# Allegro board TDI_KU5P_QSFP28_CXP_V001-20240805_1841.brd (continued)
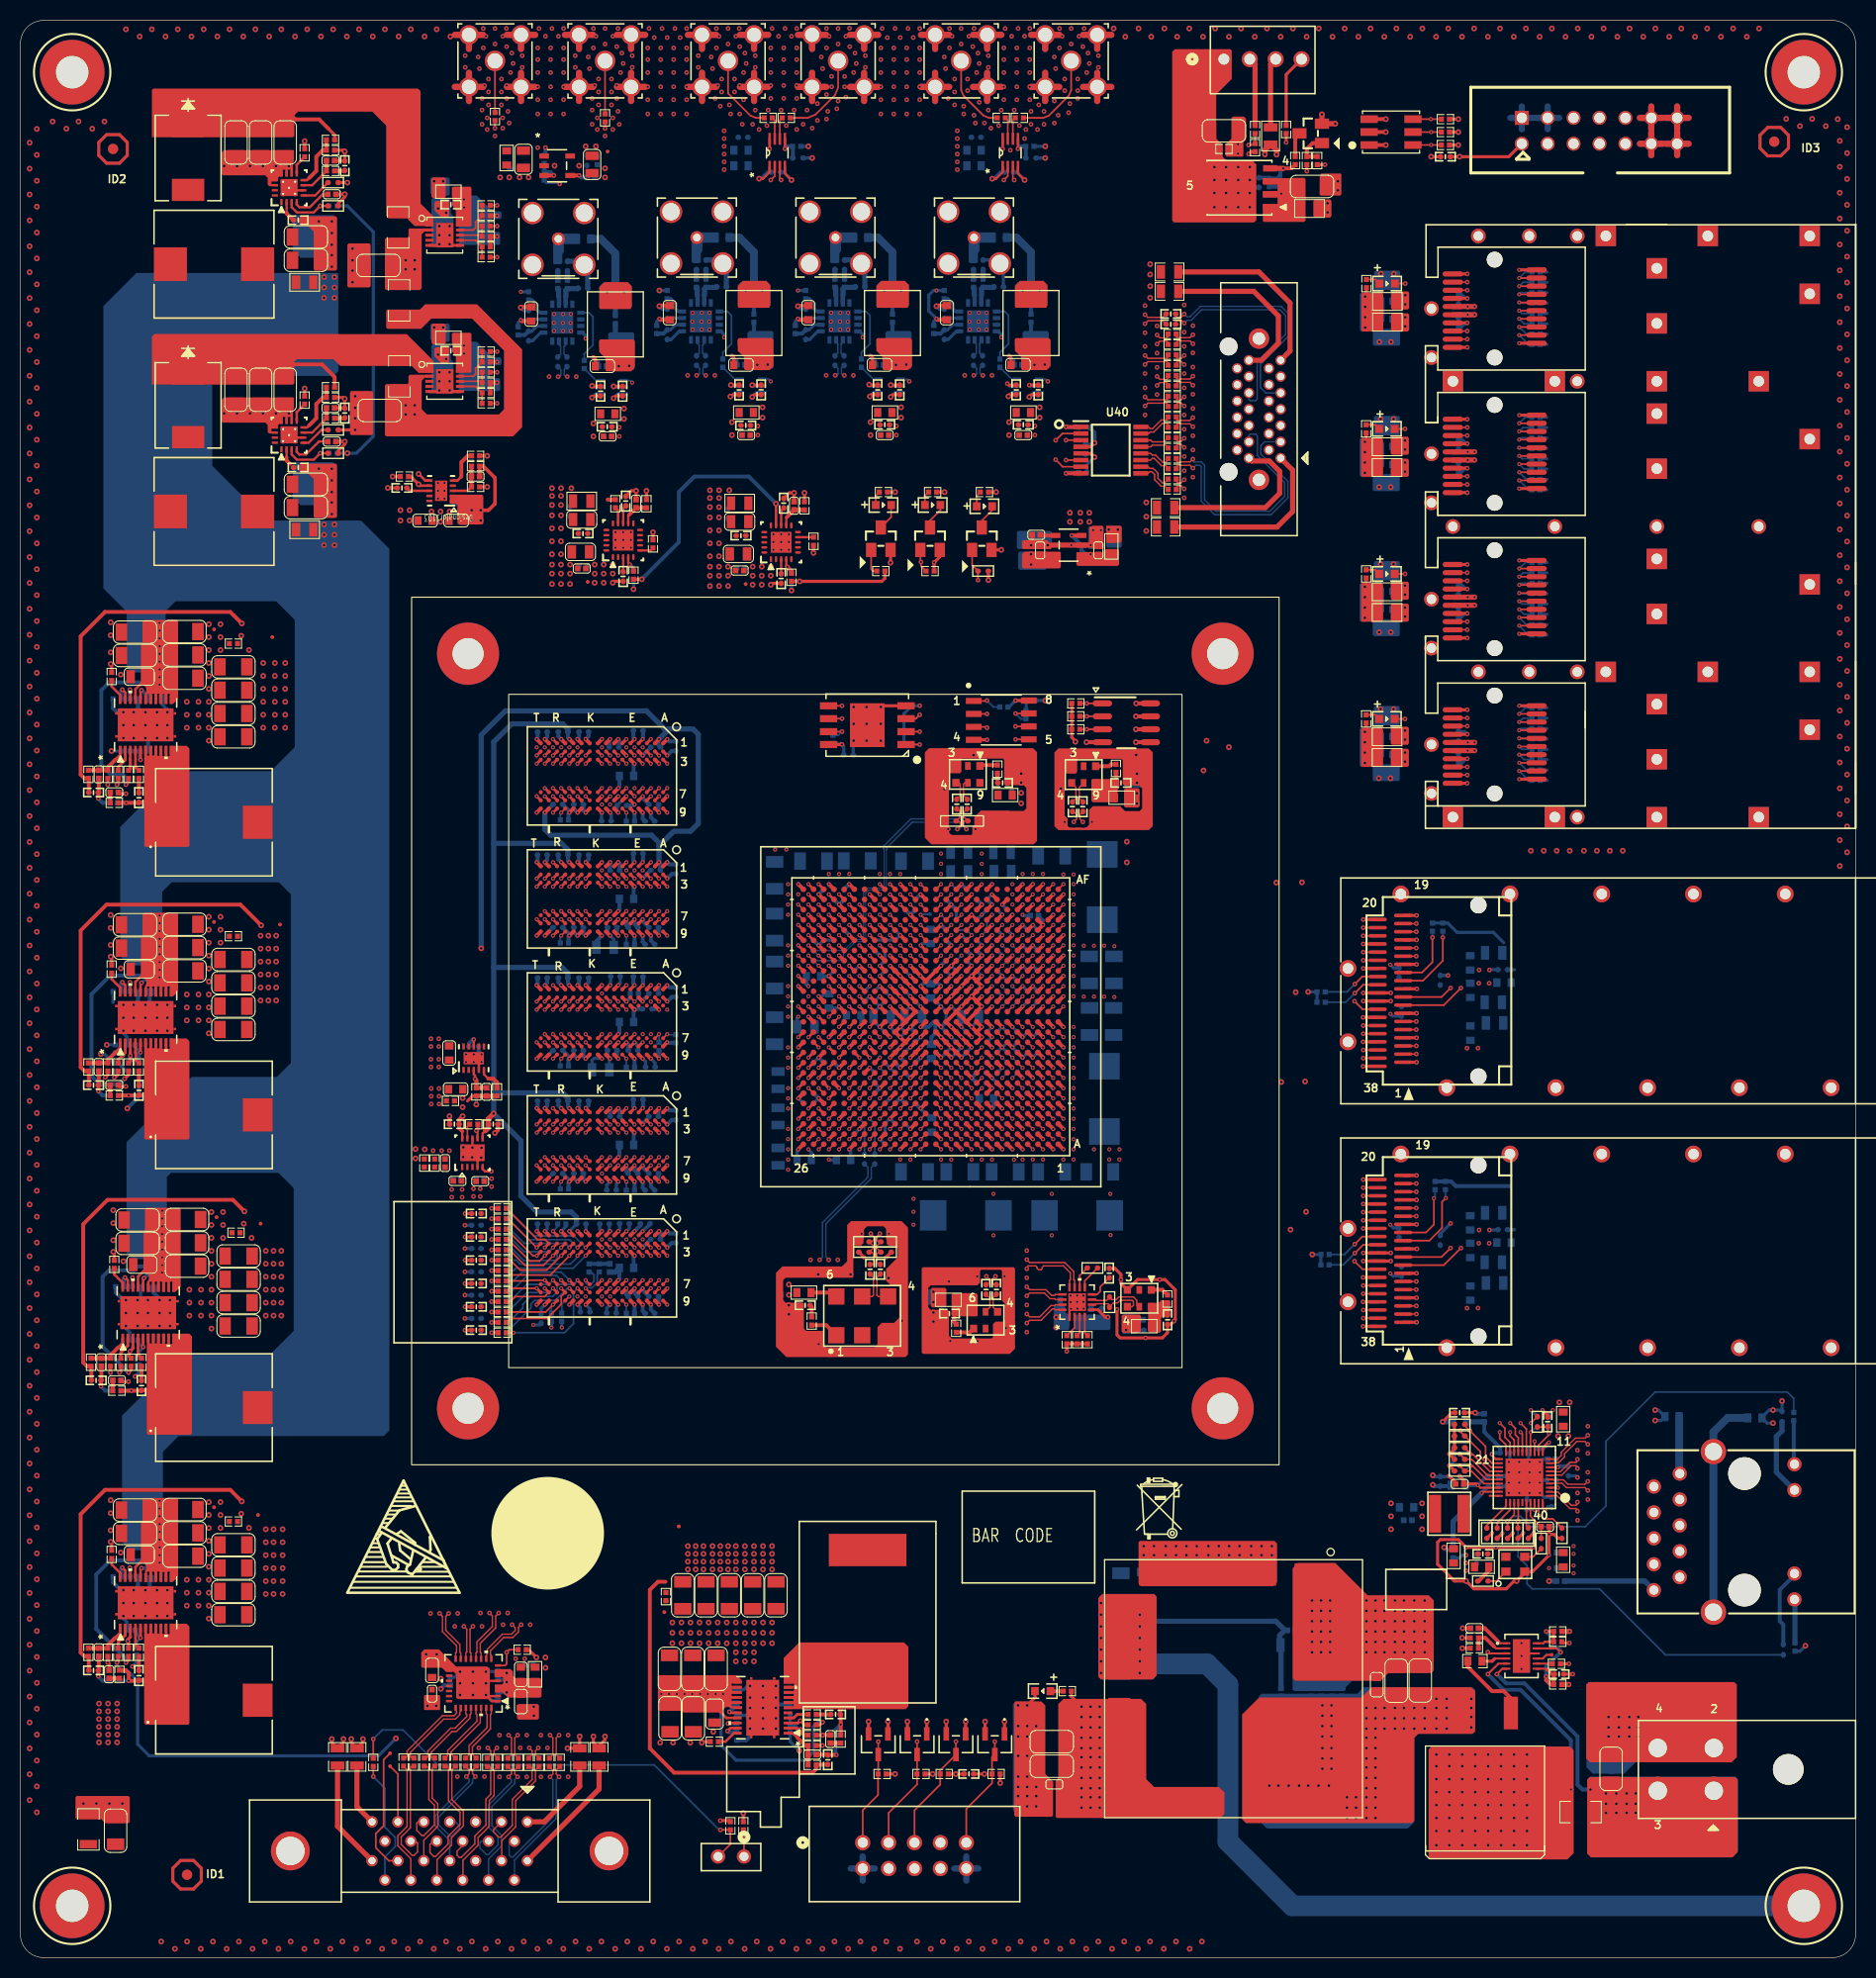
[diagram p0: board, top side]
## Routing (per net, layer and track width the routed paths; a pad name or vN(x,y) marks a point on that pad's centre or on a via; arc(x,y) is an arc through that point) (continued)
CHA_QSFP0_TX0_N: length 62.2
  TOP w0.14: J4.37 131.72,62.72 v2(131.71,62.71)
  TOP w0.17: U1.F6 v1(97.3,84.27)
  ART12 w0.102: v1(97.3,84.27) 97.16,84.27 arc(97.1,84.29) 97.05,84.32 97.04,84.33 arc(97.01,84.38) 97,84.44 97,84.55 arc(96.89,84.79) 96.64,84.9 96.05,84.9 arc(95.78,84.79) 95.68,84.53 95.68,82.04 arc(95.79,81.77) 96.07,81.65 98.52,81.65 99.13,81.69 100.63,81.69 101.18,81.65 103.75,81.65 103.8,81.6 103.83,81.6
  ART12 w0.114: 103.83,81.6 107.59,81.6 arc(107.69,81.58) 107.77,81.52 108.81,80.48 arc(109.27,80.29) 109.73,80.48 110.11,80.86 arc(110.35,80.96) 110.59,80.86 110.59,80.86 arc(110.69,80.62) 110.59,80.37 110.22,80 arc(110.22,79.08) 111.14,79.08 111.51,79.45 arc(111.76,79.55) 112,79.45 112,79.45 arc(112.1,79.21) 112,78.97 111.62,78.59 arc(111.62,77.67) 112.54,77.67 112.92,78.05 arc(113.16,78.15) 113.4,78.05 113.4,78.05 arc(113.5,77.81) 113.4,77.56 113.03,77.19 arc(113.03,76.27) 113.95,76.27 114.32,76.64 arc(114.57,76.74) 114.81,76.64 arc(114.91,76.4) 114.81,76.16 114.43,75.78 arc(114.43,74.86) 115.35,74.86 115.73,75.24 arc(115.97,75.34) 116.21,75.24 arc(116.32,74.99) 116.22,74.75 115.84,74.38 arc(115.65,73.92) 115.84,73.46 126.53,62.77 arc(126.71,62.65) 126.92,62.61 130.88,62.61 arc(131.08,62.65) 131.26,62.77 131.4,62.9 arc(131.43,62.93) 131.48,62.94 131.6,62.94 arc(131.68,62.9) 131.71,62.82 v2(131.71,62.71)
CHA_QSFP0_TX0_P: length 62.2
  TOP w0.14: J4.36 v2(131.71,63.51)
  TOP w0.17: U1.F7 v1(96.3,84.27)
  ART12 w0.102: 103.83,81.91 103.8,81.91 103.75,81.86 101.19,81.86 100.64,81.9 99.13,81.9 98.51,81.86 96.07,81.86 arc(95.94,81.91) 95.88,82.04 95.88,84.53 arc(95.93,84.65) 96.05,84.69 96.64,84.69 arc(96.75,84.65) 96.79,84.55 96.79,84.44 arc(96.78,84.38) 96.75,84.33 96.73,84.32 arc(96.69,84.29) 96.63,84.27 v1(96.3,84.27)
  ART12 w0.114: v2(131.71,63.51) 131.71,63.36 arc(131.68,63.28) 131.6,63.24 131.48,63.24 arc(131.31,63.21) 131.18,63.12 131.04,62.98 arc(130.97,62.93) 130.88,62.91 129.66,62.91 arc(129.59,62.94) 129.56,63.02 arc(129.53,63.09) 129.46,63.12 129.21,63.12 arc(129.13,63.09) 129.1,63.02 arc(129.07,62.94) 129,62.91 128.75,62.91 arc(128.68,62.94) 128.65,63.02 arc(128.62,63.09) 128.54,63.12 128.29,63.12 arc(128.22,63.09) 128.19,63.02 arc(128.16,62.94) 128.09,62.91 127.83,62.91 arc(127.76,62.94) 127.73,63.02 arc(127.69,63.11) 127.6,63.14 127.4,63.14 arc(127.31,63.11) 127.27,63.02 arc(127.24,62.94) 127.17,62.91 126.92,62.91 arc(126.82,62.93) 126.74,62.99 116.06,73.67 arc(115.96,73.92) 116.06,74.16 116.43,74.53 arc(116.62,74.99) 116.43,75.45 arc(115.97,75.65) 115.51,75.45 115.14,75.08 arc(114.65,75.08) 114.65,75.56 115.03,75.94 arc(115.22,76.4) 115.03,76.86 115.03,76.86 arc(114.57,77.05) 114.11,76.86 113.73,76.48 arc(113.25,76.48) 113.25,76.97 113.62,77.35 arc(113.81,77.81) 113.62,78.27 113.62,78.27 arc(113.16,78.46) 112.7,78.27 112.33,77.89 arc(111.84,77.89) 111.84,78.38 112.22,78.75 arc(112.41,79.21) 112.22,79.67 112.22,79.67 arc(111.76,79.86) 111.3,79.67 110.92,79.3 arc(110.43,79.3) 110.43,79.78 110.81,80.16 arc(111,80.62) 110.81,81.08 110.81,81.08 arc(110.35,81.27) 109.89,81.08 109.51,80.7 arc(109.27,80.6) 109.03,80.7 107.99,81.74 arc(107.8,81.87) 107.59,81.91 103.83,81.91
CHA_QSFP0_TX1_N: length 61.1
  TOP w0.14: J4.2 135.63,63.12 v2(136.91,63.12)
  TOP w0.17: U1.E4 v1(99.3,83.28)
  ART12 w0.102: v1(99.3,83.28) 98.96,83.28 arc(98.9,83.29) 98.86,83.32 98.84,83.33 arc(98.81,83.38) 98.8,83.44 98.8,83.53 arc(98.81,83.59) 98.84,83.64 98.86,83.65 arc(98.91,83.68) 98.97,83.7 100.43,83.7 101.01,83.65 103.54,83.65 103.6,83.6 103.62,83.6
  ART12 w0.114: v2(136.91,63.12) 136.91,63.28 arc(136.87,63.37) 136.77,63.41 136.5,63.41 arc(136.29,63.46) 136.1,63.58 132.43,67.26 arc(132.26,67.37) 132.06,67.41 130.25,67.41 arc(130.03,67.45) 129.85,67.58 121.18,76.24 arc(120.94,76.34) 120.7,76.24 120.27,75.81 arc(119.81,75.62) 119.35,75.81 119.35,75.81 arc(119.16,76.27) 119.35,76.73 119.78,77.16 arc(119.78,77.65) 119.29,77.65 118.87,77.22 arc(118.41,77.03) 117.95,77.22 117.95,77.22 arc(117.75,77.68) 117.95,78.14 118.37,78.57 arc(118.37,79.05) 117.89,79.05 117.46,78.62 arc(117,78.43) 116.54,78.62 116.54,78.62 arc(116.35,79.08) 116.54,79.54 116.97,79.97 arc(116.97,80.46) 116.48,80.46 116.05,80.03 arc(115.59,79.84) 115.14,80.03 arc(114.94,80.49) 115.13,80.95 115.56,81.38 arc(115.56,81.86) 115.08,81.86 114.65,81.43 arc(114.19,81.24) 113.73,81.43 arc(113.54,81.89) 113.73,82.35 114.16,82.78 arc(114.26,83.02) 114.16,83.27 113.9,83.52 arc(113.82,83.58) 113.71,83.6 103.62,83.6
CHA_QSFP0_TX1_P: length 61.2
  TOP w0.14: J4.3 135.63,63.92 v2(136.91,63.92)
  TOP w0.17: U1.E5 v1(98.3,83.28)
  ART12 w0.102: 103.62,83.91 103.6,83.91 103.54,83.86 101.02,83.86 100.44,83.9 98.97,83.9 arc(98.83,83.87) 98.71,83.8 98.7,83.78 arc(98.62,83.66) 98.6,83.53 98.6,83.44 arc(98.58,83.38) 98.55,83.33 98.54,83.32 arc(98.49,83.29) 98.43,83.28 v1(98.3,83.28)
  ART12 w0.114: v2(136.91,63.92) 136.91,63.84 arc(136.88,63.75) 136.8,63.72 136.5,63.72 arc(136.4,63.74) 136.32,63.8 132.64,67.47 arc(132.37,67.65) 132.06,67.72 130.25,67.72 arc(130.15,67.74) 130.07,67.79 121.4,76.46 arc(120.94,76.65) 120.48,76.46 120.05,76.03 arc(119.81,75.93) 119.57,76.03 119.57,76.03 arc(119.47,76.27) 119.57,76.51 120,76.94 arc(120,77.86) 119.08,77.86 118.65,77.43 arc(118.41,77.33) 118.16,77.43 arc(118.06,77.68) 118.16,77.92 118.59,78.35 arc(118.59,79.27) 117.67,79.27 117.24,78.84 arc(117,78.74) 116.76,78.84 116.76,78.84 arc(116.66,79.08) 116.76,79.33 117.19,79.75 arc(117.19,80.67) 116.27,80.67 115.84,80.25 arc(115.59,80.15) 115.35,80.25 115.35,80.25 arc(115.25,80.49) 115.35,80.73 115.78,81.16 arc(115.78,82.08) 114.86,82.08 114.43,81.65 arc(114.19,81.55) 113.95,81.65 113.95,81.65 arc(113.85,81.89) 113.95,82.14 114.37,82.56 arc(114.56,83.02) 114.37,83.48 114.12,83.74 arc(113.93,83.86) 113.71,83.91 103.62,83.91
CHA_QSFP0_TX2_N: length 61
  TOP w0.14: J4.34 v2(131.71,65.11)
  TOP w0.17: U1.D6 v1(97.3,82.28)
  ART12 w0.102: 103.7,82.64 103.67,82.64 103.62,82.69 100.25,82.69 99.56,82.65 98.19,82.65 97.63,82.69 96.94,82.69 arc(96.86,82.66) 96.82,82.58 96.82,82.48 arc(96.88,82.33) 97.02,82.28 v1(97.3,82.28)
  ART12 w0.114: 103.7,82.64 110.72,82.64 arc(110.76,82.63) 110.8,82.61 118.06,75.35 arc(118.16,75.11) 118.06,74.86 117.53,74.34 arc(117.34,73.88) 117.53,73.42 117.53,73.41 arc(117.99,73.22) 118.45,73.41 118.98,73.94 arc(119.47,73.94) 119.47,73.46 118.94,72.93 arc(118.75,72.47) 118.94,72.01 118.94,72.01 arc(119.4,71.82) 119.86,72.01 120.39,72.54 arc(120.87,72.54) 120.87,72.05 120.34,71.52 arc(120.15,71.06) 120.34,70.6 120.34,70.6 arc(120.8,70.41) 121.26,70.6 121.79,71.13 arc(122.28,71.13) 122.28,70.65 121.75,70.12 arc(121.56,69.66) 121.75,69.2 arc(122.21,69.01) 122.67,69.2 123.2,69.73 arc(123.68,69.73) 123.68,69.24 123.15,68.71 arc(122.96,68.25) 123.15,67.79 123.15,67.79 arc(123.61,67.6) 124.07,67.79 124.6,68.32 arc(125.09,68.32) 125.09,67.84 124.56,67.31 arc(124.37,66.85) 124.56,66.39 124.56,66.39 arc(125.02,66.2) 125.48,66.39 126.01,66.92 arc(126.25,67.02) 126.49,66.92 126.7,66.71 arc(127.36,66.27) 128.14,66.11 129.37,66.11 arc(129.41,66.1) 129.43,66.05 arc(129.45,66.01) 129.49,65.99 129.83,65.99 arc(129.87,66.01) 129.89,66.05 arc(129.91,66.1) 129.95,66.11 130.44,66.11 arc(130.51,66.1) 130.58,66.05 131.12,65.51 arc(131.29,65.4) 131.48,65.36 131.6,65.36 arc(131.68,65.33) 131.71,65.25 v2(131.71,65.11)
CHA_QSFP0_TX2_P: length 61
  TOP w0.14: J4.33 v2(131.71,65.91)
  TOP w0.17: U1.D7 v1(96.3,82.28)
  ART12 w0.102: v1(96.3,82.28) 96.47,82.28 arc(96.58,82.32) 96.62,82.43 96.62,82.58 arc(96.72,82.8) 96.94,82.9 97.64,82.9 98.2,82.86 99.55,82.86 100.25,82.9 103.62,82.9 103.67,82.95 103.7,82.95
  ART12 w0.114: v2(131.71,65.91) 131.71,65.78 arc(131.68,65.7) 131.6,65.67 131.48,65.67 arc(131.41,65.68) 131.34,65.73 130.8,66.27 arc(130.63,66.38) 130.44,66.42 128.14,66.42 arc(127.48,66.55) 126.92,66.93 126.71,67.13 arc(126.25,67.32) 125.79,67.13 125.26,66.6 arc(125.02,66.5) 124.78,66.6 arc(124.68,66.85) 124.78,67.09 125.31,67.62 arc(125.31,68.54) 124.39,68.54 123.86,68.01 arc(123.61,67.91) 123.37,68.01 123.37,68.01 arc(123.27,68.25) 123.37,68.5 123.9,69.02 arc(123.9,69.94) 122.98,69.94 122.45,69.42 arc(122.21,69.31) 121.97,69.42 121.97,69.42 arc(121.87,69.66) 121.97,69.9 122.5,70.43 arc(122.5,71.35) 121.58,71.35 121.05,70.82 arc(120.8,70.72) 120.56,70.82 120.56,70.82 arc(120.46,71.06) 120.56,71.31 121.09,71.84 arc(121.09,72.76) 120.17,72.76 119.64,72.23 arc(119.4,72.13) 119.16,72.23 arc(119.05,72.47) 119.15,72.71 119.68,73.24 arc(119.68,74.16) 118.76,74.16 118.23,73.63 arc(117.99,73.53) 117.75,73.63 arc(117.65,73.88) 117.75,74.12 118.28,74.65 arc(118.47,75.11) 118.28,75.57 111.02,82.83 arc(110.88,82.92) 110.72,82.95 103.7,82.95
CHA_QSFP0_TX3_N: length 62.5
  TOP w0.14: J4.5 v2(136.91,65.52)
  TOP w0.17: U1.B6 v1(97.3,80.27)
  ART12 w0.102: v1(97.3,80.27) 97.06,80.27 arc(97.01,80.26) 96.96,80.23 96.94,80.22 arc(96.91,80.17) 96.9,80.11 96.9,78.87 96.95,78.82 96.95,78.79
  ART12 w0.114: v2(136.91,65.52) 136.91,65.66 arc(136.95,65.75) 137.04,65.79 137.5,65.79 arc(137.72,65.7) 137.81,65.48 137.81,61.79 arc(137.76,61.56) 137.63,61.37 137.5,61.24 arc(137.31,61.11) 137.08,61.06 135.14,61.06 arc(134.9,61.16) 134.8,61.4 134.8,62.49 arc(134.15,63.14) 133.5,62.49 133.5,61.4 arc(133.4,61.16) 133.16,61.06 126.99,61.06 arc(126.94,61.07) 126.91,61.1 110.7,77.3 arc(110.51,77.43) 110.29,77.47 101.52,77.47 arc(101.42,77.51) 101.37,77.62 arc(101.33,77.73) 101.22,77.77 101.07,77.77 arc(100.96,77.73) 100.91,77.62 arc(100.87,77.51) 100.76,77.47 100.61,77.47 arc(100.5,77.51) 100.46,77.62 arc(100.41,77.73) 100.3,77.77 100.15,77.77 arc(100.04,77.73) 100,77.62 arc(99.95,77.51) 99.85,77.47 99.69,77.47 arc(99.59,77.51) 99.54,77.62 arc(99.5,77.73) 99.39,77.77 99.24,77.77 arc(99.13,77.73) 99.08,77.62 arc(99.04,77.51) 98.93,77.47 98.78,77.47 arc(98.67,77.51) 98.63,77.62 arc(98.58,77.73) 98.48,77.77 98.32,77.77 arc(98.22,77.73) 98.17,77.62 arc(98.13,77.51) 98.02,77.47 97.87,77.47 arc(97.51,77.54) 97.2,77.75 97.03,77.92 arc(96.97,78) 96.95,78.1 96.95,78.79
CHA_QSFP0_TX3_P: length 62.5
  TOP w0.14: J4.6 v2(136.91,66.32)
  TOP w0.17: U1.B7 v1(96.3,80.27)
  ART12 w0.102: 96.65,78.79 96.65,78.82 96.7,78.87 96.7,80.11 arc(96.69,80.17) 96.65,80.22 96.64,80.23 arc(96.59,80.26) 96.53,80.27 v1(96.3,80.27)
  ART12 w0.114: v2(136.91,66.32) 136.91,66.21 arc(136.94,66.13) 137.03,66.1 137.5,66.1 arc(137.94,65.92) 138.12,65.48 138.12,61.79 arc(138.05,61.45) 137.85,61.15 137.72,61.02 arc(137.43,60.82) 137.08,60.75 135.14,60.75 arc(134.68,60.94) 134.49,61.4 134.49,62.49 arc(134.15,62.84) 133.81,62.49 133.81,61.4 arc(133.62,60.94) 133.16,60.75 126.99,60.75 arc(126.83,60.79) 126.69,60.88 110.48,77.08 arc(110.39,77.14) 110.29,77.16 97.87,77.16 arc(97.39,77.26) 96.98,77.53 96.81,77.7 arc(96.69,77.89) 96.65,78.1 96.65,78.79
CHA_QSFP0_VCCI: length 2.7
  TOP w0.305: v2(131.71,68.31) J4.30 v2(134.41,68.31)
CHA_QSFP0_VCCRX: length 1.3
  TOP w0.305: v2(136.97,69.51) 136.97,69.52 J4.10
CHA_QSFP0_VCCTX: length 2.7
  TOP w0.305: v2(134.41,69.11) 134.41,69.11 J4.29 131.71,69.11 v2(131.71,69.11)
CHA_QSFP1_I2C_SCL: length 83.1
  TOP w0.17: U1.B12 v1(91.3,80.27) ; J6.11 137.57,95.82 139.51,97.76 v2(139.51,100.05)
  ART03 w0.122: v1(91.3,80.27) 90.69,79.66 90.69,77.78 94.05,74.42 95.72,74.42 96.15,74.85 100.5,74.85 100.93,74.42 105.45,74.42 106.57,75.54 108.47,75.54 121.1,88.17 121.1,95.22 131.89,106.02 136.64,106.02 139.51,103.15 v2(139.51,100.05)
  BOTTOM w0.17: R106.2 v2(139.51,100.05)
CHA_QSFP1_I2C_SDA: length 80.7
  TOP w0.17: J6.12 137.48,96.62 138.5,97.64 v2(138.5,100.05) ; U1.A13 v1(90.3,79.28)
  ART03 w0.122: v2(138.5,100.05) 138.5,103.4 136.29,105.61 132.25,105.61 121.48,94.84 121.48,87.72 107.74,73.99 100.85,73.99 100.4,74.45 96.23,74.45 95.77,73.99 93.89,73.99 89.86,78.03 89.86,78.83 v1(90.3,79.28)
  BOTTOM w0.17: R107.2 v2(138.5,100.05)
CHA_QSFP1_INTL: length 64.4
  TOP w0.17: J6.28 131.7,95.42 v2(130.88,94.59) ; U1.D13 v1(90.3,82.28)
  ART03 w0.122: v2(130.88,94.59) 130.01,94.59 108.65,73.23 100.6,73.23 100.14,73.69 96.51,73.69 96.05,73.23 93.65,73.23 89.22,77.66 89.22,81.2 v1(90.3,82.28)
  BOTTOM w0.17: R109.2 129.99,93.7 v2(130.88,94.59)
CHA_QSFP1_LPMODE: length 59.3
  TOP w0.17: J6.31 131.64,93.02 v2(130.85,93.8) ; U1.B14 v1(88.29,80.27)
  ART03 w0.122: v2(130.85,93.8) 129.99,93.8 109.06,72.87 100.45,72.87 100.04,73.28 96.69,73.28 96.28,72.87 93.43,72.87 88.84,77.47 88.84,79.73 v1(88.29,80.27)
CHA_QSFP1_MODPRSL: length 62.8
  TOP w0.17: v2(130.88,95.48) 131.61,96.22 J6.27 ; U1.C13 v1(90.3,81.27)
  ART03 w0.122: v2(130.88,95.48) 130.01,95.48 108.12,73.58 100.73,73.58 100.24,74.07 96.36,74.07 95.87,73.58 93.8,73.58 89.5,77.89 89.5,80.47 v1(90.3,81.27)
  BOTTOM w0.17: R108.2 130.11,94.72 v2(130.88,95.48)
CHA_QSFP1_MODSEIL: length 80.2
  TOP w0.17: v2(141.29,95.1) 139.61,93.42 J6.8 ; U1.C14 v1(88.29,81.27)
  ART03 w0.122: v2(141.29,95.1) 141.29,89 135.83,83.54 133.9,83.54 122.5,72.15 100.18,72.15 99.84,72.49 97.09,72.49 96.75,72.15 92.95,72.15 87.9,77.19 87.9,80.89 v1(88.29,81.27)
CHA_QSFP1_RESETL: length 74.9
  TOP w0.17: U1.A14 v1(88.29,79.28) ; v2(140.27,95.1) 139.39,94.22 J6.9
  ART03 w0.122: v1(88.29,79.28) 88.29,77.47 93.25,72.51 96.48,72.51 96.84,72.87 99.98,72.87 100.35,72.51 121.85,72.51 133.59,84.25 135.65,84.25 140.27,88.87 v2(140.27,95.1)
CHA_QSFP1_RX0_N: length 61.8
  TOP w0.14: J6.18 v2(136.91,101.42)
  TOP w0.17: U1.M1 v1(102.3,90.27)
  ART10 w0.102: 103.85,89.91 103.83,89.91 103.77,89.86 102.01,89.86 arc(101.93,89.89) 101.9,89.96 101.9,90.09 arc(101.96,90.22) 102.09,90.27 v1(102.3,90.27)
  ART10 w0.114: v2(136.91,101.42) 136.78,101.29 arc(136.65,101.2) 136.5,101.17 135.94,101.17 arc(135.83,101.19) 135.75,101.25 135.37,101.63 arc(135.33,101.72) 135.37,101.81 arc(135.41,101.89) 135.37,101.98 135.22,102.13 arc(135.13,102.17) 135.05,102.13 arc(134.96,102.09) 134.87,102.13 133.57,103.43 arc(133.09,103.75) 132.52,103.86 122.98,103.86 arc(122.79,103.82) 122.62,103.71 122.46,103.55 arc(122.28,103.11) 122.46,102.67 123.28,101.86 arc(123.38,101.61) 123.28,101.37 123.28,101.37 arc(123.04,101.27) 122.79,101.37 122,102.17 arc(121.08,102.17) 121.08,101.25 121.87,100.45 arc(121.97,100.21) 121.87,99.97 121.87,99.97 arc(121.63,99.87) 121.39,99.97 120.59,100.76 arc(119.67,100.76) 119.67,99.84 120.47,99.05 arc(120.57,98.8) 120.47,98.56 arc(120.22,98.46) 119.98,98.56 119.19,99.36 arc(118.27,99.36) 118.27,98.44 119.06,97.64 arc(119.16,97.4) 119.06,97.16 119.06,97.15 arc(118.82,97.05) 118.58,97.15 117.78,97.95 arc(116.86,97.95) 116.86,97.03 117.66,96.23 arc(117.76,95.99) 117.66,95.75 117.66,95.75 arc(117.41,95.65) 117.17,95.75 116.37,96.54 arc(115.91,96.74) 115.45,96.54 108.88,89.97 arc(108.81,89.92) 108.73,89.91 103.85,89.91
CHA_QSFP1_RX0_P: length 61.9
  TOP w0.14: J6.17 v2(136.91,100.62)
  TOP w0.17: U1.M2 v1(101.3,90.27)
  ART10 w0.102: 103.85,89.6 103.83,89.6 103.77,89.65 102.01,89.65 arc(101.79,89.74) 101.7,89.96 101.7,90.09 arc(101.64,90.22) 101.51,90.27 v1(101.3,90.27)
  ART10 w0.114: v2(136.91,100.62) 136.78,100.75 arc(136.65,100.83) 136.5,100.86 135.94,100.86 arc(135.72,100.91) 135.53,101.03 133.35,103.21 arc(132.97,103.47) 132.52,103.56 122.98,103.56 arc(122.91,103.54) 122.84,103.5 122.68,103.33 arc(122.59,103.11) 122.68,102.89 123.5,102.07 arc(123.69,101.61) 123.5,101.15 123.5,101.15 arc(123.04,100.96) 122.58,101.15 121.78,101.95 arc(121.29,101.95) 121.29,101.46 122.09,100.67 arc(122.28,100.21) 122.09,99.75 122.09,99.75 arc(121.63,99.56) 121.17,99.75 120.37,100.54 arc(119.89,100.54) 119.89,100.06 120.69,99.26 arc(120.88,98.8) 120.69,98.34 arc(120.22,98.15) 119.76,98.34 118.97,99.14 arc(118.48,99.14) 118.48,98.65 119.28,97.86 arc(119.47,97.4) 119.28,96.94 119.28,96.94 arc(118.82,96.75) 118.36,96.94 117.56,97.73 arc(117.08,97.73) 117.08,97.25 117.87,96.45 arc(118.06,95.99) 117.87,95.53 117.87,95.53 arc(117.41,95.34) 116.95,95.53 116.16,96.33 arc(115.91,96.43) 115.67,96.33 109.09,89.75 arc(108.93,89.64) 108.73,89.6 103.85,89.6
CHA_QSFP1_RX1_N: length 63
  TOP w0.14: J6.21 131.72,101.02 v2(131.71,101.02)
  TOP w0.17: U1.K1 v1(102.3,88.28)
  ART10 w0.102: 103.72,84.95 103.7,84.95 103.65,84.9 101.19,84.9 arc(100.97,84.99) 100.88,85.2 100.88,87.35 arc(100.97,87.56) 101.19,87.65 101.5,87.65 arc(101.78,87.77) 101.9,88.05 101.9,88.09 arc(101.96,88.22) 102.09,88.28 v1(102.3,88.28)
  ART10 w0.114: v2(131.71,101.02) 131.58,100.88 arc(131.45,100.8) 131.3,100.77 130.98,100.77 arc(130.9,100.8) 130.87,100.88 arc(130.83,100.98) 130.73,101.02 130.55,101.02 arc(130.45,100.98) 130.41,100.88 arc(130.38,100.8) 130.3,100.77 126.47,100.77 arc(126.25,100.73) 126.07,100.6 124.6,99.13 arc(124.41,98.67) 124.6,98.21 125.53,97.28 arc(125.63,97.03) 125.53,96.79 125.53,96.79 arc(125.29,96.69) 125.05,96.79 124.11,97.73 arc(123.19,97.73) 123.19,96.81 124.13,95.87 arc(124.23,95.63) 124.13,95.39 124.13,95.39 arc(123.88,95.29) 123.64,95.39 122.71,96.32 arc(121.79,96.32) 121.79,95.4 122.72,94.47 arc(122.82,94.22) 122.72,93.98 122.72,93.98 arc(122.48,93.88) 122.23,93.98 121.3,94.91 arc(120.38,94.91) 120.38,93.99 121.31,93.06 arc(121.42,92.82) 121.31,92.58 121.31,92.57 arc(121.07,92.47) 120.83,92.57 119.89,93.51 arc(118.97,93.51) 118.97,92.59 119.91,91.65 arc(120.01,91.41) 119.91,91.17 119.91,91.17 arc(119.67,91.07) 119.42,91.17 118.49,92.1 arc(118.03,92.29) 117.57,92.1 110.49,85.03 arc(110.41,84.97) 110.31,84.95 103.72,84.95
CHA_QSFP1_RX1_P: length 63.1
  TOP w0.14: J6.22 131.72,100.22 v2(131.71,100.22)
  TOP w0.17: U1.K2 v1(101.3,88.28)
  ART10 w0.102: v1(101.3,88.28) 101.51,88.28 arc(101.64,88.22) 101.7,88.09 101.7,88.05 arc(101.64,87.91) 101.5,87.86 101.19,87.86 arc(100.83,87.71) 100.68,87.35 100.68,85.2 arc(100.83,84.84) 101.19,84.69 103.65,84.69 103.7,84.64 103.72,84.64
  ART10 w0.114: v2(131.71,100.22) 131.58,100.35 arc(131.45,100.43) 131.3,100.46 126.47,100.46 arc(126.37,100.44) 126.29,100.38 124.81,98.91 arc(124.71,98.67) 124.81,98.43 125.75,97.49 arc(125.94,97.03) 125.75,96.57 arc(125.29,96.38) 124.83,96.57 123.89,97.51 arc(123.41,97.51) 123.41,97.02 124.34,96.09 arc(124.53,95.63) 124.34,95.17 arc(123.88,94.98) 123.42,95.17 122.49,96.1 arc(122,96.1) 122,95.62 122.94,94.68 arc(123.13,94.22) 122.94,93.76 arc(122.48,93.57) 122.02,93.76 121.08,94.7 arc(120.6,94.7) 120.6,94.21 121.53,93.28 arc(121.72,92.82) 121.53,92.36 121.53,92.36 arc(121.07,92.17) 120.61,92.36 119.68,93.29 arc(119.19,93.29) 119.19,92.81 120.13,91.87 arc(120.32,91.41) 120.13,90.95 120.13,90.95 arc(119.67,90.76) 119.21,90.95 118.27,91.89 arc(118.03,91.99) 117.79,91.89 110.71,84.81 arc(110.52,84.69) 110.31,84.64 103.72,84.64
CHA_QSFP1_RX2_N: length 63.2
  TOP w0.14: J6.15 v2(136.91,99.02)
  TOP w0.17: U1.H1 v1(102.3,86.28)
  ART10 w0.102: v1(102.3,86.28) 102.09,86.28 arc(101.96,86.22) 101.9,86.09 101.9,85.97 arc(101.93,85.89) 102.01,85.86 103.77,85.86 103.83,85.91 103.85,85.91
  ART10 w0.114: v2(136.91,99.02) 136.76,98.87 arc(136.65,98.8) 136.53,98.77 136.45,98.77 arc(136.38,98.79) 136.31,98.83 136.05,99.09 arc(136.02,99.18) 136.05,99.27 136.05,99.27 arc(136.09,99.36) 136.05,99.45 135.91,99.59 arc(135.82,99.63) 135.73,99.59 135.73,99.59 arc(135.64,99.55) 135.55,99.59 132.64,102.5 arc(132.46,102.62) 132.24,102.67 126.6,102.67 arc(126.23,102.59) 125.91,102.38 117.38,93.85 arc(117.14,93.75) 116.9,93.85 116.12,94.63 arc(115.66,94.82) 115.2,94.63 arc(115.01,94.17) 115.2,93.71 115.98,92.93 arc(116.08,92.69) 115.98,92.45 arc(115.74,92.34) 115.49,92.45 114.71,93.23 arc(114.25,93.42) 113.79,93.23 arc(113.6,92.77) 113.79,92.31 114.57,91.52 arc(114.67,91.28) 114.57,91.04 arc(114.33,90.94) 114.09,91.04 113.31,91.82 arc(112.85,92.01) 112.39,91.82 arc(112.19,91.36) 112.38,90.9 113.17,90.12 arc(113.27,89.88) 113.17,89.63 arc(112.92,89.53) 112.68,89.63 111.9,90.42 arc(111.44,90.61) 110.98,90.42 110.98,90.41 arc(110.79,89.96) 110.98,89.5 111.76,88.71 arc(111.86,88.47) 111.76,88.23 arc(111.52,88.13) 111.28,88.23 110.49,89.01 arc(110.03,89.2) 109.57,89.01 109.57,89.01 arc(109.38,88.55) 109.57,88.09 110.36,87.31 arc(110.46,87.07) 110.36,86.82 110.05,86.52 arc(109.38,86.07) 108.58,85.91 103.85,85.91
CHA_QSFP1_RX2_P: length 63.2
  TOP w0.14: J6.14 v2(136.91,98.22)
  TOP w0.17: U1.H2 v1(101.3,86.28)
  ART10 w0.102: v1(101.3,86.28) 101.51,86.28 arc(101.64,86.22) 101.7,86.09 101.7,85.97 arc(101.79,85.75) 102.01,85.65 103.77,85.65 103.83,85.6 103.85,85.6
  ART10 w0.114: v2(136.91,98.22) 136.78,98.35 arc(136.65,98.43) 136.5,98.46 136.45,98.46 arc(136.26,98.5) 136.1,98.61 132.43,102.28 arc(132.34,102.34) 132.24,102.36 126.61,102.36 arc(126.35,102.31) 126.13,102.16 117.6,93.63 arc(117.14,93.44) 116.68,93.63 115.9,94.42 arc(115.66,94.52) 115.41,94.42 115.41,94.41 arc(115.31,94.17) 115.41,93.93 116.2,93.15 arc(116.39,92.69) 116.2,92.23 arc(115.74,92.04) 115.28,92.23 114.49,93.01 arc(114.25,93.11) 114.01,93.01 114.01,93.01 arc(113.91,92.77) 114.01,92.52 114.79,91.74 arc(114.98,91.28) 114.79,90.82 arc(114.33,90.63) 113.87,90.82 113.09,91.6 arc(112.85,91.7) 112.6,91.6 112.6,91.6 arc(112.5,91.36) 112.6,91.12 113.38,90.34 arc(113.57,89.88) 113.38,89.42 arc(112.92,89.23) 112.46,89.42 111.68,90.2 arc(111.44,90.3) 111.2,90.2 111.2,90.2 arc(111.1,89.96) 111.2,89.71 111.98,88.93 arc(112.17,88.47) 111.98,88.01 arc(111.52,87.82) 111.06,88.01 110.28,88.79 arc(110.03,88.89) 109.79,88.79 109.79,88.79 arc(109.69,88.55) 109.79,88.31 110.57,87.53 arc(110.76,87.07) 110.57,86.61 110.27,86.3 arc(109.49,85.78) 108.58,85.6 103.85,85.6
CHA_QSFP1_RX3_N: length 62.7
  TOP w0.14: v2(131.71,98.62) 133.12,98.62 J6.24
  TOP w0.17: U1.F1 v1(102.3,84.27)
  ART10 w0.102: 103.85,83.91 103.83,83.91 103.77,83.86 102.01,83.86 arc(101.93,83.89) 101.9,83.96 101.9,84.09 arc(101.96,84.22) 102.09,84.27 v1(102.3,84.27)
  ART10 w0.114: 103.85,83.91 111.42,83.91 arc(111.5,83.92) 111.56,83.97 114.49,86.9 arc(114.66,87.01) 114.85,87.05 117.54,87.05 arc(117.78,87.15) 117.88,87.39 117.88,88.5 arc(118.53,89.15) 119.18,88.5 119.18,87.39 arc(119.53,87.05) 119.87,87.39 119.87,88.5 arc(120.52,89.15) 121.17,88.5 121.17,87.39 arc(121.51,87.05) 121.86,87.39 121.86,88.5 arc(122.51,89.15) 123.16,88.5 123.16,87.39 arc(123.5,87.05) 123.84,87.39 123.84,88.5 arc(124.49,89.15) 125.14,88.5 125.14,87.39 arc(125.49,87.05) 125.83,87.39 125.83,88.5 arc(126.48,89.15) 127.13,88.5 127.13,87.39 arc(127.23,87.15) 127.47,87.05 127.93,87.05 arc(128.07,87.1) 128.13,87.25 128.13,98.14 arc(128.17,98.33) 128.28,98.5 128.44,98.66 arc(128.61,98.77) 128.8,98.81 129.56,98.81 arc(129.63,98.84) 129.66,98.91 arc(129.7,99.01) 129.79,99.05 129.98,99.05 arc(130.07,99.01) 130.11,98.91 arc(130.14,98.84) 130.21,98.81 130.61,98.81 arc(130.81,98.77) 130.97,98.66 131.2,98.43 arc(131.27,98.38) 131.34,98.37 131.6,98.37 arc(131.68,98.4) 131.71,98.48 v2(131.71,98.62)
CHA_QSFP1_RX3_P: length 62.8
  TOP w0.14: J6.25 133.12,97.82 v2(131.71,97.82)
  TOP w0.17: U1.F2 v1(101.3,84.27)
  ART10 w0.102: 103.85,83.6 103.83,83.6 103.77,83.65 102.01,83.65 arc(101.79,83.74) 101.7,83.96 101.7,84.09 arc(101.64,84.22) 101.51,84.27 v1(101.3,84.27)
  ART10 w0.114: v2(131.71,97.82) 131.71,97.95 arc(131.68,98.03) 131.6,98.06 131.34,98.06 arc(131.15,98.1) 130.99,98.21 130.75,98.44 arc(130.69,98.49) 130.61,98.5 128.8,98.5 arc(128.72,98.49) 128.66,98.44 128.5,98.28 arc(128.45,98.22) 128.44,98.14 128.44,87.25 arc(128.29,86.89) 127.93,86.74 127.47,86.74 arc(127.01,86.93) 126.82,87.39 126.82,88.5 arc(126.48,88.85) 126.14,88.5 126.14,87.39 arc(125.49,86.74) 124.84,87.39 124.84,88.5 arc(124.49,88.85) 124.15,88.5 124.15,87.39 arc(123.5,86.74) 122.85,87.39 122.85,88.5 arc(122.51,88.85) 122.16,88.5 122.16,87.39 arc(121.51,86.74) 120.86,87.39 120.86,88.5 arc(120.52,88.85) 120.18,88.5 120.18,87.39 arc(119.53,86.74) 118.88,87.39 118.88,88.5 arc(118.53,88.85) 118.19,88.5 118.19,87.39 arc(118,86.93) 117.54,86.74 114.85,86.74 arc(114.78,86.72) 114.71,86.68 111.78,83.75 arc(111.62,83.64) 111.42,83.6 103.85,83.6
CHA_QSFP1_TX0_N: length 61
  TOP w0.14: J6.37 131.72,88.22 v2(131.71,88.22)
  TOP w0.17: U1.N4 v1(99.3,91.27)
  ART12 w0.102: 103.7,86.64 103.67,86.64 103.62,86.7 101.03,86.7 100.39,86.65 98.05,86.65 arc(97.79,86.76) 97.68,87.03 97.68,91.56 arc(97.79,91.83) 98.07,91.95 98.65,91.95 arc(98.86,91.86) 98.95,91.64 98.95,91.38 arc(98.98,91.3) 99.05,91.27 v1(99.3,91.27)
  ART12 w0.114: 103.7,86.64 121.19,86.64 arc(121.65,86.83) 121.84,87.29 121.84,89.55 arc(122.18,89.89) 122.52,89.55 122.52,87.29 arc(123.17,86.64) 123.82,87.29 123.82,89.55 arc(124.17,89.89) 124.51,89.55 124.51,87.29 arc(125.16,86.64) 125.81,87.29 125.81,89.55 arc(126.15,89.89) 126.49,89.55 126.49,87.29 arc(126.68,86.83) 127.14,86.64 129.45,86.64 arc(129.64,86.68) 129.81,86.79 131.39,88.37 arc(131.44,88.41) 131.5,88.42 131.6,88.42 arc(131.68,88.39) 131.71,88.31 v2(131.71,88.22)
